# Allegro board SDHCalFEB.brd (continued)
## Routing (per net, layer and track width the routed paths; a pad name or vN(x,y) marks a point on that pad's centre or on a via; arc(x,y) is an arc through that point) (continued)
CK_40P_B: length 279.3
  TOP w0.102: v2(316.6,216.78) 316.31,217.08 315.76,217.08 315.54,216.86 U325.99 ; R658.1 79.21,217.08 76.77,217.08 v2(76.47,216.78) 76.18,217.08 75.73,217.08 75.51,216.86 U520.99 ; U455.99 155.52,216.86 155.74,217.08 156.19,217.08 v2(156.48,216.78) ; v2(333.79,216.42) 334.09,216.72 334.57,216.72 334.67,216.62 334.67,216.18 334.78,216.08 R2608.1 ; U390.99 235.25,216.86 235.47,217.08 236.17,217.08 v2(236.47,216.78)
  GND1 w0.102: v2(333.79,216.42) 333.49,216.72 332.79,216.72 v3(332.42,216.35) ; v2(76.47,216.78) 76.77,217.08 77.42,217.08 v3(77.79,216.7) ; v2(156.48,216.78) 156.78,217.07 157.55,217.07 v3(157.92,216.7) ; v3(237.9,216.7) 237.53,217.08 236.77,217.08 v2(236.47,216.78) ; v2(316.6,216.78) 316.9,217.08 317.58,217.08 v3(317.95,216.7)
  SIG2 w0.102: v3(332.42,216.35) 332.02,216.75 331.18,216.75 330.14,215.71 321.91,215.71 320.54,217.08 318.32,217.08 v3(317.95,216.7) 317.58,217.08 238.27,217.08 v3(237.9,216.7) 237.53,217.08 158.29,217.08 v3(157.92,216.7) 157.54,217.08 78.16,217.08 v3(77.79,216.7)
CK_40P_C: length 296.7
  TOP w0.102: U585.99 315.54,136.85 315.76,137.07 316.31,137.07 v2(316.6,136.77) ; R991.1 79.37,137.07 76.87,137.07 v2(76.57,136.77) 76.28,137.07 75.73,137.07 75.51,136.85 U780.99 ; U650.99 235.53,136.85 235.75,137.07 236.25,137.07 v2(236.54,136.77) ; v2(156.49,136.77) 156.19,137.07 155.74,137.07 155.52,136.85 U715.99 ; R2616.1 329.23,167.76 329.01,167.54 v2(329.01,167.11)
  GND1 w0.102: v3(317.72,136.7) 317.35,137.07 316.9,137.07 v2(316.6,136.77) ; v2(236.54,136.77) 236.84,137.07 237.39,137.07 v3(237.76,136.7) ; v2(76.57,136.77) 76.87,137.07 77.39,137.07 v3(77.77,136.7) ; v3(157.65,136.7) 157.28,137.07 156.78,137.07 v2(156.49,136.77) ; v3(328.05,166.04) 328.05,166.57 328.26,166.78 328.58,167.11 v2(329.01,167.11)
  SIG1 w0.102: v3(328.05,166.04) 327.52,166.04 323.81,162.33 323.81,141.92 318.96,137.07 318.1,137.07 v3(317.72,136.7)
  SIG2 w0.102: v3(317.72,136.7) 317.35,137.07 238.13,137.07 v3(237.76,136.7) 237.39,137.07 158.02,137.07 v3(157.65,136.7) 157.28,137.07 78.14,137.07 v3(77.77,136.7)
CK_40P_D: length 263
  TOP w0.102: R2624.1 319.3,57.06 316.9,57.06 v2(316.6,56.76) 316.31,57.06 315.76,57.06 315.54,56.84 U845.99 ; v2(156.49,56.76) 156.19,57.06 155.74,57.06 155.52,56.84 U975.99 ; v2(236.5,56.76) 236.2,57.06 235.75,57.06 235.53,56.84 U910.99 ; R1324.1 79.85,57.06 76.77,57.06 v2(76.48,56.76) 76.18,57.06 75.73,57.06 75.51,56.84 U1040.99
  GND1 w0.102: v3(317.72,56.68) 317.35,57.06 316.9,57.06 v2(316.6,56.76) ; v3(157.6,56.68) 157.23,57.06 156.78,57.06 v2(156.49,56.76) ; v2(236.5,56.76) 236.8,57.06 237.24,57.06 v3(237.62,56.68) ; v2(76.48,56.76) 76.77,57.06 77.22,57.06 v3(77.59,56.68)
  SIG2 w0.102: v3(317.72,56.68) 317.35,57.06 237.99,57.06 v3(237.62,56.68) 237.24,57.06 157.98,57.06 v3(157.6,56.68) 157.23,57.06 77.97,57.06 v3(77.59,56.68)
COLUMNSELECT0: length 528.2
  TOP w0.127: v1(356.68,216.84) U1065.1 ; v1(354.92,120.36) U1069.1 ; 135.42,347.79 134.06,347.79 U1067.15 ; 135.42,347.79 135.77,347.79 136.27,347.29 136.27,341.71 135.42,340.86 U1061.15 ; 135.42,347.79 136.19,348.56 136.19,354.63 135.42,355.41 U1071.15 v1(132.92,355.41) ; J35.A37 394.61,271.91 394.61,271.91 v1(394.67,271.91) ; v1(356.32,247.93) U1062.1 ; v1(352.94,332.08) U1058.1
  SIG1 w0.127: v1(394.67,271.91) 394,271.25 373.91,271.25 v1(372.04,269.37) ; v1(352.94,332.08) 340.32,344.7 330.66,344.7 317.25,358.11 148.26,358.11 144.07,353.92 137.26,353.92 135.78,355.41 v1(132.92,355.41)
  BOTTOM w0.127: v1(354.92,120.36) 356.68,122.12 356.68,209.41 357.68,210.41 357.68,215.83 v1(356.68,216.84) 357.02,217.19 357.02,247.23 v1(356.32,247.93) ; v1(356.32,247.93) 353.95,250.3 353.95,328.7 352.6,330.05 352.6,331.74 v1(352.94,332.08) ; v1(356.32,247.93) 372.04,263.64 v1(372.04,269.37)
  BOTTOM w0.508: v1(394.67,271.91) R2594.1
COLUMNSELECT1: length 511.3
  TOP w0.127: J35.B38 v1(391.92,273.18) ; v1(135.15,354.76) U1071.16 ; v1(359.61,115.68) U1069.10 ; U1065.10 356.68,210.25 357.16,209.77 v1(358.22,209.77) ; v1(135.25,340.21) U1061.16 ; U1062.10 v1(356.32,241.3) ; v1(135.18,347.14) U1067.16 ; v1(352.94,325.45) U1058.10
  TOP w0.508: R2593.1 390.4,273.18 v1(391.92,273.18)
  SIG1 w0.127: v1(135.15,354.76) 135.15,354.74 136.7,353.19 145.67,353.19 149.38,356.9 209.68,356.9 210.85,355.73 236.4,355.73 238.74,353.39 316.53,353.39 338.4,331.52 347.57,331.52 352.94,326.15 v1(352.94,325.45) 359.49,318.91 359.49,277.9 366.75,270.64 v1(370.64,270.64) 373.18,273.18 v1(391.92,273.18)
  SIG3 w0.127: v1(359.11,252.73) 359.11,244.08 v1(356.32,241.3) 357.73,239.89 357.73,215.62 358.22,215.14 v1(358.22,209.77)
  BOTTOM w0.127: v1(359.61,115.68) 359.62,115.68 360.17,116.23 360.17,207.81 v1(358.22,209.77) ; v1(359.11,252.73) 370.64,264.26 v1(370.64,270.64) ; v1(135.15,354.76) 134.34,353.95 134.34,347.98 v1(135.18,347.14) 135.18,347.14 136.12,346.2 136.12,341.07 v1(135.25,340.21)
COLUMNSELECT2: length 344.9
  TOP w0.127: v1(140.82,347.14) U1067.1 ; v1(140.89,340.21) U1061.1 ; v1(138.56,354.76) U1071.1 ; v1(394.75,274.45) J35.A39
  SIG1 w0.127: v1(394.75,274.45) 394.09,273.79 364.36,273.79 360.43,277.72 360.43,327 338.66,348.77 330.17,348.77 318.39,360.55 147.75,360.55 141.96,354.76 v1(138.56,354.76)
  BOTTOM w0.127: v1(138.56,354.76) 138.58,354.76 139.75,353.59 139.75,348.21 v1(140.82,347.14) 141.53,346.43 141.53,340.84 v1(140.89,340.21)
  BOTTOM w0.508: v1(394.75,274.45) 395.73,274.45 R2592.1
CTEST_ASIC_A1: length 23.1
  TOP w0.127: R68.2 R70.2 300.66,275.43 297.56,278.54 297.56,280.8 298.12,281.35 U65.59
CTEST_ASIC_A2: length 32.7
  TOP w0.127: U130.59 218.11,280.92 217.6,280.42 217.6,278.46 220.83,275.23 R153.2 R152.2
CTEST_ASIC_A3: length 31.6
  TOP w0.127: R235.2 R236.2 139.7,275.79 137.64,277.85 137.64,280.62 138.1,281.07 U195.59
CTEST_ASIC_A4: length 25.1
  TOP w0.127: R318.2 R319.2 59.59,275.71 57.43,277.88 57.43,280.39 58.09,281.05 U260.59
CTEST_ASIC_B1: length 21.5
  TOP w0.127: U325.59 298.12,201.34 297.56,200.79 297.56,198.04 300.72,194.89 R401.2 R402.2
CTEST_ASIC_B5: length 33
  TOP w0.127: U390.59 218.11,201.37 217.53,200.79 217.53,198.15 220.79,194.89 R485.2 R486.2
CTEST_ASIC_B6: length 32.9
  TOP w0.127: U455.59 138.1,201.24 137.64,200.79 137.64,198.32 140.9,195.06 R568.2 R569.2
CTEST_ASIC_B7: length 34
  TOP w0.127: U520.59 58.09,201.37 57.68,200.96 57.68,197.76 60.44,195.01 R651.2 R652.2
CTEST_ASIC_C1: length 20.9
  TOP w0.127: R736.2 R734.2 299.98,115.03 297.54,117.47 297.54,120.8 298.12,121.39 U585.59
CTEST_ASIC_C2: length 32.5
  TOP w0.127: R818.2 R819.2 219.08,115.99 217.58,117.5 217.58,120.78 218.11,121.31 U650.59
CTEST_ASIC_C3: length 32.5
  TOP w0.127: U715.59 138.1,121.31 137.72,120.93 137.72,118.11 140.52,115.31 R901.2 R902.2
CTEST_ASIC_C4: length 34.6
  TOP w0.127: U780.59 58.09,121.31 57.61,120.83 57.61,117.73 60.89,114.44 R984.2 R985.2
CTEST_ASIC_D1: length 14.1
  TOP w0.127: R1068.2 R1067.2 301.18,35.12 297.81,38.48 297.81,40.59 298.12,40.89 U845.59
CTEST_ASIC_D2: length 31.5
  TOP w0.127: R1152.2 R1151.2 220.02,34.87 217.68,37.21 217.68,40.87 218.11,41.3 U910.59
CTEST_ASIC_D3: length 33.1
  TOP w0.127: U975.59 138.1,41.15 137.79,40.84 137.79,37.34 140.78,34.36 R1234.2 R1235.2
CTEST_ASIC_D4: length 33.2
  TOP w0.127: U1040.59 58.09,41.27 57.71,40.89 57.71,37.49 60.82,34.38 R1317.2 R1318.2
CTEST_SMA_ASIC_A1: length 16.3
  TOP w0.127: R70.1 315.42,275.45 R72.2 326.63,275.46 J2.1
CTEST_SMA_ASIC_A2: length 8.7
  TOP w0.127: J4.1 248.58,275.22 R155.2 248.56,275.23 R153.1
CTEST_SMA_ASIC_A3: length 9.2
  TOP w0.127: R236.1 168.58,275.79 R238.2 J6.1
CTEST_SMA_ASIC_A4: length 14.6
  TOP w0.127: R319.1 85.01,275.71 86.39,277.09 R321.2 J8.1
CTEST_SMA_ASIC_B1: length 19.5
  TOP w0.127: J10.1 R405.2 313.24,196.44 R402.1
CTEST_SMA_ASIC_B5: length 8.9
  TOP w0.127: R486.1 247.97,196.38 247.98,196.39 R488.2 J12.1
CTEST_SMA_ASIC_B6: length 8.1
  TOP w0.127: R569.1 165.01,196.57 R571.2 J14.1
CTEST_SMA_ASIC_B7: length 7.6
  TOP w0.127: J16.1 R654.2 85.84,196.52 R652.1
CTEST_SMA_ASIC_C1: length 20.6
  TOP w0.127: J18.1 R738.2 312.39,116.51 R736.1
CTEST_SMA_ASIC_C2: length 8.5
  TOP w0.127: J20.1 R821.2 247.52,115.99 R819.1
CTEST_SMA_ASIC_C3: length 7.9
  TOP w0.127: J22.1 R904.2 165.32,116.81 165.32,116.81 R902.1
CTEST_SMA_ASIC_C4: length 6.9
  TOP w0.127: J24.1 R987.2 87.78,115.95 87.77,115.94 R985.1
CTEST_SMA_ASIC_D1: length 26.1
  TOP w0.127: J26.1 R1071.2 306.64,36.63 R1068.1
CTEST_SMA_ASIC_D2: length 9.3
  TOP w0.127: J28.1 R1154.2 247.01,36.36 R1152.1
CTEST_SMA_ASIC_D3: length 9.1
  TOP w0.127: J30.1 R1237.2 168.58,35.88 R1235.1
CTEST_SMA_ASIC_D4: length 8.2
  TOP w0.127: R1318.1 85.28,35.88 85.29,35.89 R1320.2 J32.1
DAC_O1: length 25
  TOP w0.127: U1045.5 243.17,354.36 R1351.2 265.05,354.63 R1349.2
DAC_O2: length 34.4
  TOP w0.127: R1350.1 270.02,343.1 268.35,341.43 246.62,341.43 R1348.2 241.9,346.15 U1045.3
DIGITALPOWERGOOD: length 6.7
  TOP w0.127: D8.1 R2598.2 376.5,282.42 379.03,284.95 U1077.4
DOUT1B_A: length 364.5
  TOP w0.127: U195.104 154.57,300.12 v2(153.39,300.12) ; J35.B10 v1(391.85,237.62) ; v2(233.4,300.12) U130.104 ; U260.104 v2(73.38,300.12) ; U65.104 v2(315.77,300.12)
  TOP w0.508: v1(391.85,237.62) 391.85,237.62 R83.2
  GND1 w0.127: v2(153.39,300.12) v3(154.13,300.12) ; v2(315.77,300.12) v3(316.51,300.12) ; v2(73.38,300.12) v3(74.12,300.12) ; v3(232.66,300.12) v2(233.4,300.12)
  SIG1 w0.127: v1(391.85,237.62) 390.98,236.75 371.12,236.75 341.48,266.4 341.48,276.96 318.32,300.12 v3(316.51,300.12)
  SIG2 w0.127: v3(74.12,300.12) 76.64,300.12 77.9,298.86 145.21,298.86 146.48,300.12 v3(154.13,300.12) 155.33,300.12 155.96,299.49 178.94,299.49 179.68,298.75 207.57,298.75 208.25,299.44 231.98,299.44 v3(232.66,300.12) 235.31,300.12 236.4,299.03 258.65,299.03 259.59,298.09 311.73,298.09 313.76,300.12 v3(316.51,300.12)
DOUT1B_B: length 344.4
  TOP w0.127: U455.104 v2(153.39,220.11) ; U325.104 v2(316.89,220.11) ; U390.104 v2(233.4,220.11) ; U520.104 v2(73.38,220.11) ; v1(394.75,198) J34.A29
  GND1 w0.127: v2(153.39,220.11) v3(152.65,220.11) ; v2(233.4,220.11) v3(232.66,220.11) ; v2(73.38,220.11) v3(74.12,220.11) ; v2(316.89,220.11) v3(317.63,220.11)
  SIG1 w0.127: v3(317.63,220.11) 319.97,220.11 321.56,218.52 350.32,218.52 354.05,214.78 361.01,214.78 378.38,197.41 394.17,197.41 v1(394.75,198)
  SIG2 w0.127: v3(74.12,220.11) 78.49,220.11 79.22,219.38 96.06,219.38 96.62,218.82 151.37,218.82 v3(152.65,220.11) 157.77,220.11 159.05,218.82 231.38,218.82 v3(232.66,220.11) 238.89,220.11 239.85,219.15 269.44,219.15 270.31,218.29 312.88,218.29 314.7,220.11 v3(317.63,220.11)
  BOTTOM w0.508: R416.2 395.7,198 v1(394.75,198)
DOUT1B_C: length 339.8
  TOP w0.127: U650.104 v2(233.4,140.1) ; J33.B40 v1(391.92,148.21) ; v2(315.78,140.1) U585.104 ; U715.104 v2(153.39,140.1) ; U780.104 v2(73.38,140.1)
  TOP w0.508: v1(391.92,148.21) 391.91,148.22 R749.2
  GND1 w0.127: v2(153.39,140.1) v3(154.13,140.1) ; v2(73.38,140.1) v3(72.65,140.1) ; v2(315.78,140.1) v3(316.51,140.1) ; v2(233.4,140.1) v3(234.14,140.1)
  SIG1 w0.127: v3(328.65,135.48) 334.31,135.48 338.12,139.29 363.63,139.29 372.54,148.21 v1(391.92,148.21)
  SIG2 w0.127: v3(72.65,140.1) 77.55,140.1 78.82,138.84 151.41,138.84 152.67,140.1 v3(154.13,140.1) 159.16,140.1 160.02,139.24 190.52,139.24 190.98,138.79 206.83,138.79 207.21,139.17 232.03,139.17 232.96,140.1 v3(234.14,140.1) 237.37,140.1 237.97,139.5 255.22,139.5 256.36,138.35 312.78,138.35 314.52,140.1 v3(316.51,140.1) 321.13,135.48 v3(328.65,135.48)
DOUT1B_D: length 363.9
  TOP w0.127: U1040.104 v2(73.38,60.09) ; U910.104 v2(233.4,60.09) ; v2(156.32,60.1) 156.31,60.09 U975.104 ; J33.B18 v1(391.92,120.27) ; U845.104 v2(315.78,60.09)
  TOP w0.508: R1082.2 391.91,120.28 v1(391.92,120.27)
  GND1 w0.127: v3(157.05,60.06) 157.03,60.09 156.54,60.09 156.53,60.1 v2(156.32,60.1) ; v2(233.4,60.09) v3(232.88,59.57) ; v2(73.38,60.09) v3(72.65,60.09) ; v2(315.78,60.09) v3(315.04,60.09)
  SIG1 w0.127: v3(315.04,60.09) 328.95,60.09 355.19,86.33 355.19,96.34 379.12,120.27 v1(391.92,120.27)
  SIG2 w0.127: v3(72.65,60.09) 77.2,60.09 78.69,58.6 152.35,58.6 153.84,60.09 157.03,60.09 v3(157.05,60.06) 157.08,60.09 157.82,60.09 159.13,58.78 232.09,58.78 v3(232.88,59.57) v2(233.4,60.09) 237.52,60.09 238.81,58.8 313.75,58.8 v3(315.04,60.09)
DOUT1B_E: length 1.7
  TOP w0.127: J33.A3 v1(394.75,101.22)
  BOTTOM w0.127: v1(394.75,101.22) 395.7,101.22 R1333.1
DOUT2B_A: length 357.4
  TOP w0.127: U260.105 v2(77.72,300.77) ; U195.105 154.57,300.77 v2(155.75,300.77) ; J35.A11 v1(394.75,238.89) ; v2(235.76,300.77) U130.105 ; U65.105 v2(313.24,300.77)
  GND1 w0.127: v3(156.49,300.77) v2(155.75,300.77) ; v2(77.72,300.77) v3(78.46,300.77) ; v3(236.5,300.77) v2(235.76,300.77) ; v2(313.24,300.77) v3(313.98,300.77)
  SIG1 w0.127: v3(313.98,300.77) 319.47,300.77 380.72,239.52 394.12,239.52 v1(394.75,238.89)
  SIG2 w0.127: v3(78.46,300.77) 78.48,300.77 79.78,299.47 144.42,299.47 145.73,300.77 v3(156.49,300.77) 157.13,300.13 179.48,300.13 180.19,299.42 206.71,299.42 207.39,300.1 231.67,300.1 232.34,300.77 v3(236.5,300.77) 237.65,299.62 259.38,299.62 260.22,298.78 311.25,298.78 v2(313.24,300.77) v3(313.98,300.77)
  BOTTOM w0.508: v1(394.75,238.89) 394.75,238.89 R84.2
DOUT2B_B: length 340
  TOP w0.127: v2(235.76,220.76) U390.105 ; v2(77.98,220.76) 77.98,220.76 U520.105 ; U455.105 v2(157.61,220.76) ; U325.105 v2(313.41,220.76) ; J34.B30 v1(391.92,199.27)
  TOP w0.508: v1(391.92,199.27) 391.92,199.26 R417.2
  GND1 w0.127: v2(157.61,220.76) v3(158.34,220.76) ; v2(235.76,220.76) v3(236.5,220.76) ; v3(78.71,220.76) v2(77.98,220.76) ; v2(313.41,220.76) v3(314.15,220.76)
  SIG1 w0.127: v3(314.15,220.76) 320.44,220.76 321.28,219.91 350.06,219.91 354.23,215.75 361.72,215.75 377.47,200 391.19,200 v1(391.92,199.27)
  SIG2 w0.127: v3(314.15,220.76) 312.21,218.82 270.92,218.82 270.03,219.71 240.28,219.71 239.24,220.76 v3(236.5,220.76) 232.37,220.76 231.06,219.46 159.64,219.46 158.34,220.75 v3(158.34,220.76) 152.46,220.76 151.18,219.48 97.1,219.48 96.55,220.04 79.43,220.04 v3(78.71,220.76)
DOUT2B_C: length 353.7
  TOP w0.127: U780.105 v2(77.6,140.75) ; U715.105 v2(158.85,140.75) ; U585.105 v2(313.41,140.75) ; J34.A11 v1(394.75,175.14) ; U650.105 v2(237.69,140.75)
  GND1 w0.127: v2(237.69,140.75) v3(238.43,140.75) ; v2(313.41,140.75) v3(314.15,140.75) ; v2(77.6,140.75) v3(78.33,140.75) ; v2(158.85,140.75) v3(159.59,140.75)
  SIG1 w0.127: v3(330.68,137.01) 333.93,137.01 336.88,139.95 351.08,139.95 385.6,174.47 394.09,174.47 v1(394.75,175.14)
  SIG2 w0.127: v3(330.68,137.01) 320.9,137.01 317.16,140.75 v3(314.15,140.75) 312.31,138.91 256.85,138.91 255.65,140.11 239.07,140.11 v3(238.43,140.75) 232.9,140.75 231.98,139.83 206.68,139.83 206.27,139.42 191.44,139.42 190.83,140.03 160.31,140.03 v3(159.59,140.75) 152.54,140.75 151.87,140.08 129.34,140.08 128.73,139.47 79.61,139.47 v3(78.33,140.75)
  BOTTOM w0.508: R750.2 394.75,175.13 v1(394.75,175.14)
DOUT2B_D: length 365.2
  TOP w0.127: U910.105 v2(237.11,60.74) ; U845.105 v2(313.41,60.74) ; J33.A19 v1(394.75,121.54) ; U1040.105 v2(75.74,60.74) ; U975.105 v2(157.45,60.74)
  GND1 w0.127: v2(313.41,60.74) v3(312.86,60.19) ; v2(157.45,60.74) v3(158.19,60.74) ; v2(75.74,60.74) v3(76.48,60.74) ; v2(237.11,60.74) v3(237.85,60.74)
  SIG1 w0.127: v1(394.75,121.54) 394.17,120.95 378.61,120.95 354.48,96.82 354.48,86.59 328.63,60.74 v2(313.41,60.74) v3(312.86,60.19)
  SIG2 w0.127: v3(312.86,60.19) 312.11,59.44 239.17,59.44 237.86,60.74 v3(237.85,60.74) 232.95,60.74 231.65,59.44 159.49,59.44 v3(158.19,60.74) 153.63,60.74 152.32,59.44 78.77,59.44 77.46,60.74 v3(76.48,60.74)
  BOTTOM w0.508: v1(394.75,121.54) 394.75,121.54 R1083.2
DOUT2B_E: length 2.4
  TOP w0.127: R1334.1 390.35,102.49 J33.B4
ENDREADOUT1_A: length 382.2
  TOP w0.127: v2(73.38,305.32) U260.112 76.62,305.32 TP35.1 ; v1(391.92,252.86) J35.B22
  GND1 w0.127: v2(73.38,305.32) v3(72.64,305.32)
  SIG2 w0.127: v1(391.92,252.86) 383.41,252.86 355.35,280.92 355.35,300.38 331.7,324.03 78.28,324.03 70.36,316.1 70.36,307.61 v3(72.64,305.32)
ENDREADOUT1_B: length 350.4
  TOP w0.127: TP79.1 76.78,225.31 U520.112 v2(72.42,225.31) ; J35.A7 v1(394.75,233.81)
  GND1 w0.127: v2(72.42,225.31) v3(71.68,225.31)
  SIG2 w0.127: v1(394.75,233.81) 394,233.06 367.63,233.06 365.07,235.61 328.07,235.61 318.77,244.91 79.35,244.91 70.28,235.84 70.28,226.69 71.67,225.31 v3(71.68,225.31)
ENDREADOUT1_C: length 362.7
  TOP w0.127: J34.B22 v1(391.82,189.11) ; v2(73.38,145.3) U780.112 76.73,145.3 TP125.1
  GND1 w0.127: v2(73.38,145.3) v3(72.65,145.3)
  SIG2 w0.127: v3(337.82,159.74) 328.42,159.74 318.52,169.65 82.37,169.65 69.75,157.02 69.75,146.13 70.57,145.3 v3(72.65,145.3)
  SIG3 w0.127: v1(391.82,189.11) 388.5,189.11 363.04,163.65 341.73,163.65 v3(337.82,159.74)
ENDREADOUT1_D: length 371.8
  TOP w0.127: v2(73.38,65.29) U1040.112 76.86,65.29 TP169.1 ; J33.A33 v1(394.75,139.32)
  GND1 w0.127: v2(73.38,65.29) v3(72.65,65.29)
  SIG1 w0.127: v3(327.61,92.35) 337.37,92.35 355.27,110.25 355.27,110.26 355.54,110.53 355.55,110.53 383.7,138.68 394.12,138.68 v1(394.75,139.32)
  SIG2 w0.127: v3(72.65,65.29) 70.75,65.29 68.48,67.56 68.48,77.27 75.03,83.82 319.08,83.82 v3(327.61,92.35)
ENDREADOUT1_E: length 13.9
  TOP w0.127: R1339.1 v1(386.94,107.34) ; v1(394.75,116.46) J33.A15
  SIG2 w0.127: v1(386.94,107.34) 386.94,108 392.26,113.32 392.26,113.97 v1(394.75,116.46)
ENDREADOUT2_A: length 378.2
  TOP w0.127: J35.A21 393.97,251.59 v1(394.75,251.59) ; U260.113 v2(75.74,305.97)
  GND1 w0.127: v2(75.74,305.97) v3(75.01,305.97)
  SIG2 w0.127: v1(394.75,251.59) 394.14,252.2 382.9,252.2 354.28,280.82 354.28,297.26 330.75,320.79 77.15,320.79 71.45,315.09 71.45,307.82 73.3,305.97 v3(75.01,305.97)
ENDREADOUT2_B: length 343.5
  TOP w0.127: J35.B6 v1(391.92,232.54) ; U520.113 v2(75.74,225.96)
  GND1 w0.127: v2(75.74,225.96) v3(75.01,225.96)
  SIG2 w0.127: v1(391.92,232.54) 366.82,232.54 365.12,234.24 327.38,234.24 317.83,243.79 81.1,243.79 70.99,233.68 70.99,227.15 72.19,225.96 v3(75.01,225.96)
ENDREADOUT2_C: length 361.9
  TOP w0.127: U780.113 v2(75.74,145.95) ; J34.A21 v1(394.33,187.84)
  GND1 w0.127: v2(75.74,145.95) v3(75.01,145.95)
  SIG2 w0.127: v3(336.88,158.83) 327.38,158.83 317.47,168.73 82.75,168.73 70.61,156.59 70.61,146.51 71.17,145.95 v3(75.01,145.95)
  SIG3 w0.127: v1(394.33,187.84) 393.72,187.22 388.32,187.22 363.12,162.03 345.52,162.03 342.32,158.83 v3(336.88,158.83)
ENDREADOUT2_D: length 365.8
  TOP w0.127: v1(391.92,138.05) J33.B32 ; U1040.113 v2(75.74,65.94)
  GND1 w0.127: v2(75.74,65.94) v3(75.01,65.94)
  SIG1 w0.127: v1(391.92,138.05) 384.39,138.05 336.66,90.32 v3(326.9,90.32)
  SIG2 w0.127: v3(75.01,65.94) 70.94,65.94 69.49,67.39 69.49,76.35 73.89,80.75 317.32,80.75 v3(326.9,90.32)
ENDREADOUT2_E: length 10
  TOP w0.127: J33.B14 392.7,115.19 v1(391.92,115.19) ; R1340.1 v1(386.94,108.84)
  SIG2 w0.127: v1(391.92,115.19) 386.94,110.21 v1(386.94,108.84)
ESD_SIGNAL1_ASIC_A1: length 3.2
  TOP w0.127: U1.3 333.83,318.13 R1.2 C1.1
ESD_SIGNAL1_ASIC_A2: length 3
  TOP w0.127: U66.3 249.19,318.21 C88.1 250.66,318.2 R85.2
ESD_SIGNAL1_ASIC_A3: length 3.1
  TOP w0.127: U131.3 169.14,318.3 C175.1 169.15,318.29 R168.2
ESD_SIGNAL1_ASIC_A4: length 3
  TOP w0.127: R251.2 90.66,318.1 C262.1 89.18,318.1 U196.3
ESD_SIGNAL1_ASIC_B1: length 3.1
  TOP w0.127: U261.3 329.13,236.86 C349.1 329.14,238.38 R334.2
ESD_SIGNAL1_ASIC_B5: length 3.1
  TOP w0.127: U326.3 249.17,239.72 C436.1 249.18,238.15 R418.2
ESD_SIGNAL1_ASIC_B6: length 3
  TOP w0.127: R501.2 169.19,238.1 C523.1 169.19,239.64 U391.3
ESD_SIGNAL1_ASIC_B7: length 3.1
  TOP w0.127: R584.2 90.67,238.08 C610.1 89.18,238.71 89.18,238.72 U456.3
ESD_SIGNAL1_ASIC_C1: length 3.1
  TOP w0.127: U521.3 329.19,159.02 329.18,159.01 C697.1 330.67,158.22 R667.2
ESD_SIGNAL1_ASIC_C2: length 3.1
  TOP w0.127: R751.2 250.66,158.22 C784.1 249.18,158.22 U586.3
ESD_SIGNAL1_ASIC_C3: length 3
  TOP w0.127: U651.3 169.19,158.1 C871.1 170.68,158.09 R834.2
ESD_SIGNAL1_ASIC_C4: length 3
  TOP w0.127: U716.3 89.18,158.12 C958.1 89.18,158.12 R917.2
ESD_SIGNAL1_ASIC_D1: length 3
  TOP w0.127: R1000.2 330.67,78.11 C1045.1 329.18,79.65 U781.3
ESD_SIGNAL1_ASIC_D2: length 3
  TOP w0.127: R1084.2 250.66,78.11 C1132.1 249.17,79.65 U846.3
ESD_SIGNAL1_ASIC_D3: length 3.1
  TOP w0.127: R1167.2 169.2,78.15 C1219.1 169.19,79.68 U911.3
ESD_SIGNAL1_ASIC_D4: length 3
  TOP w0.127: R1250.2 89.78,78.13 89.78,78.13 C1306.1 89.18,78.77 89.18,78.77 U976.3
ESD_SIGNAL2_ASIC_A1: length 3
  TOP w0.127: C2.1 330.81,328.24 R2.2 333.76,328.24 U2.3
ESD_SIGNAL2_ASIC_A2: length 3
  TOP w0.127: U67.3 247.66,334.64 C89.1 249.19,334.64 R86.2
ESD_SIGNAL2_ASIC_A3: length 3.1
  TOP w0.127: U132.3 170.67,334.63 R169.2 C176.1
ESD_SIGNAL2_ASIC_A4: length 3
  TOP w0.127: R252.2 C263.1 87.66,334.62 U197.3
ESD_SIGNAL2_ASIC_B1: length 3.1
  TOP w0.127: U262.3 332.21,257.01 332.21,257.01 R335.2 331.61,256.19 331.59,256.21 C350.1
ESD_SIGNAL2_ASIC_B5: length 3.1
  TOP w0.127: R419.2 C437.1 247.58,254.66 U327.3
ESD_SIGNAL2_ASIC_B6: length 3.1
  TOP w0.127: R502.2 C524.1 167.62,254.76 U392.3
ESD_SIGNAL2_ASIC_B7: length 3.1
  TOP w0.127: U457.3 88.38,254.66 88.38,254.66 C611.1 R585.2
ESD_SIGNAL2_ASIC_C1: length 3.1
  TOP w0.127: U522.3 327.61,174.65 C698.1 R668.2
ESD_SIGNAL2_ASIC_C2: length 3.1
  TOP w0.127: R752.2 C785.1 247.6,174.65 U587.3
ESD_SIGNAL2_ASIC_C3: length 3.1
  TOP w0.127: U652.3 167.62,174.65 C872.1 R835.2
ESD_SIGNAL2_ASIC_C4: length 3
  TOP w0.127: R918.2 C959.1 87.66,174.62 U717.3
ESD_SIGNAL2_ASIC_D1: length 3
  TOP w0.127: R1001.2 C1046.1 329.18,94.64 U782.3
ESD_SIGNAL2_ASIC_D2: length 3.1
  TOP w0.127: U847.3 247.63,94.64 C1133.1 250.66,94.64 R1085.2
ESD_SIGNAL2_ASIC_D3: length 3
  TOP w0.127: U912.3 167.67,94.64 C1220.1 R1168.2
ESD_SIGNAL2_ASIC_D4: length 3
  TOP w0.127: U977.3 87.63,94.64 C1307.1 R1251.2
ESD_SIGNAL3_ASIC_A1: length 3.2
  TOP w0.127: C3.1 321.6,326.18 321.61,326.19 R3.2 323.09,326.19 323.11,326.2 U3.3
ESD_SIGNAL3_ASIC_A2: length 3.2
  TOP w0.127: U68.3 242.82,326.2 242.81,326.21 R87.2 241.61,326.21 241.6,326.2 C90.1
ESD_SIGNAL3_ASIC_A3: length 3.1
  TOP w0.127: U133.3 162.81,326.21 162.8,326.2 R170.2 161.31,326.2 161.3,326.2 C177.1
ESD_SIGNAL3_ASIC_A4: length 3.1
  TOP w0.127: C264.1 81.32,326.2 81.32,326.2 R253.2 82.79,326.2 82.8,326.21 U198.3
ESD_SIGNAL3_ASIC_B1: length 3.1
  TOP w0.127: C351.1 320.7,246.21 R336.2 323.81,246.21 U263.3
ESD_SIGNAL3_ASIC_B5: length 3.1
  TOP w0.127: C438.1 241.29,246.18 241.29,246.19 R420.2 242.79,246.19 242.8,246.2 U328.3
ESD_SIGNAL3_ASIC_B6: length 3.1
  TOP w0.127: C525.1 161.3,246.18 161.31,246.19 R503.2 163.77,246.19 U393.3
ESD_SIGNAL3_ASIC_B7: length 3.1
  TOP w0.127: U458.3 82.8,246.17 82.79,246.16 R586.2 81.3,246.16 81.29,246.16 C612.1
ESD_SIGNAL3_ASIC_C1: length 3.1
  TOP w0.127: U523.3 323.76,166.15 R669.2 322.19,166.15 C699.1
ESD_SIGNAL3_ASIC_C2: length 3.1
  TOP w0.127: C786.1 240.7,166.15 R753.2 242.2,166.16 U588.3
ESD_SIGNAL3_ASIC_C3: length 3.1
  TOP w0.127: U653.3 162.22,166.16 R836.2 162.2,166.15 C873.1
ESD_SIGNAL3_ASIC_C4: length 3.1
  TOP w0.127: C960.1 80.7,166.15 R919.2 82.21,166.14 U718.3
ESD_SIGNAL3_ASIC_D1: length 3.1
  TOP w0.127: C1047.1 320.71,86.17 R1002.2 322.21,86.15 U783.3
ESD_SIGNAL3_ASIC_D2: length 3.1
  TOP w0.127: U848.3 243.73,86.17 R1086.2 240.71,86.17 C1134.1
ESD_SIGNAL3_ASIC_D3: length 3
  TOP w0.127: C1221.1 160.71,86.17 R1169.2 163.72,86.17 U913.3
ESD_SIGNAL3_ASIC_D4: length 3
  TOP w0.127: C1308.1 80.7,86.17 R1252.2 82.21,86.15 U978.3
ESD_SIGNAL4_ASIC_A1: length 3
  TOP w0.127: U4.3 320.36,330.67 320.35,330.68 R4.2 318.96,330.68 318.95,330.67 C4.1
ESD_SIGNAL4_ASIC_A2: length 3.1
  TOP w0.127: C91.1 240.88,330.67 240.89,330.68 R88.2 242.36,330.68 242.37,330.7 U69.3
ESD_SIGNAL4_ASIC_A3: length 3
  TOP w0.127: C178.1 160.85,330.67 160.85,330.67 R171.2 162.32,330.67 162.32,330.68 U134.3
ESD_SIGNAL4_ASIC_A4: length 3.1
  TOP w0.127: U199.3 83.31,330.67 R254.2 80.24,330.67 C265.1
ESD_SIGNAL4_ASIC_B1: length 3.3
  TOP w0.127: U264.3 315.45,254.17 315.9,253.72 R337.2 316.73,252.23 C352.1
ESD_SIGNAL4_ASIC_B5: length 3
  TOP w0.127: U329.3 235.21,253.72 R421.2 236.74,252.23 C439.1
ESD_SIGNAL4_ASIC_B6: length 3
  TOP w0.127: U394.3 155.22,253.72 R504.2 156.73,252.23 C526.1
ESD_SIGNAL4_ASIC_B7: length 3
  TOP w0.127: U459.3 75.19,253.72 R587.2 76.72,252.23 C613.1
ESD_SIGNAL4_ASIC_C1: length 3.1
  TOP w0.127: C700.1 318.27,170.68 R670.2 319.78,170.66 U524.3
ESD_SIGNAL4_ASIC_C2: length 3.1
  TOP w0.127: C787.1 238.26,170.68 R754.2 239.76,170.68 U589.3
ESD_SIGNAL4_ASIC_C3: length 3.1
  TOP w0.127: U654.3 161.34,170.68 R837.2 158.28,170.68 C874.1
ESD_SIGNAL4_ASIC_C4: length 3.1
  TOP w0.127: U719.3 81.3,170.68 R920.2 78.27,170.68 C961.1
ESD_SIGNAL4_ASIC_D1: length 3.1
  TOP w0.127: C1048.1 318.27,90.67 R1003.2 321.3,90.67 U784.3
ESD_SIGNAL4_ASIC_D2: length 3.1
  TOP w0.127: U849.3 241.29,90.67 R1087.2 238.26,90.67 C1135.1
ESD_SIGNAL4_ASIC_D3: length 3.1
  TOP w0.127: U914.3 161.31,90.67 R1170.2 158.28,90.67 C1222.1
ESD_SIGNAL4_ASIC_D4: length 3
  TOP w0.127: C1309.1 78.27,90.67 R1253.2 81.27,90.67 U979.3